# KiCad board scanhead_pcb.kicad_pcb (continued)
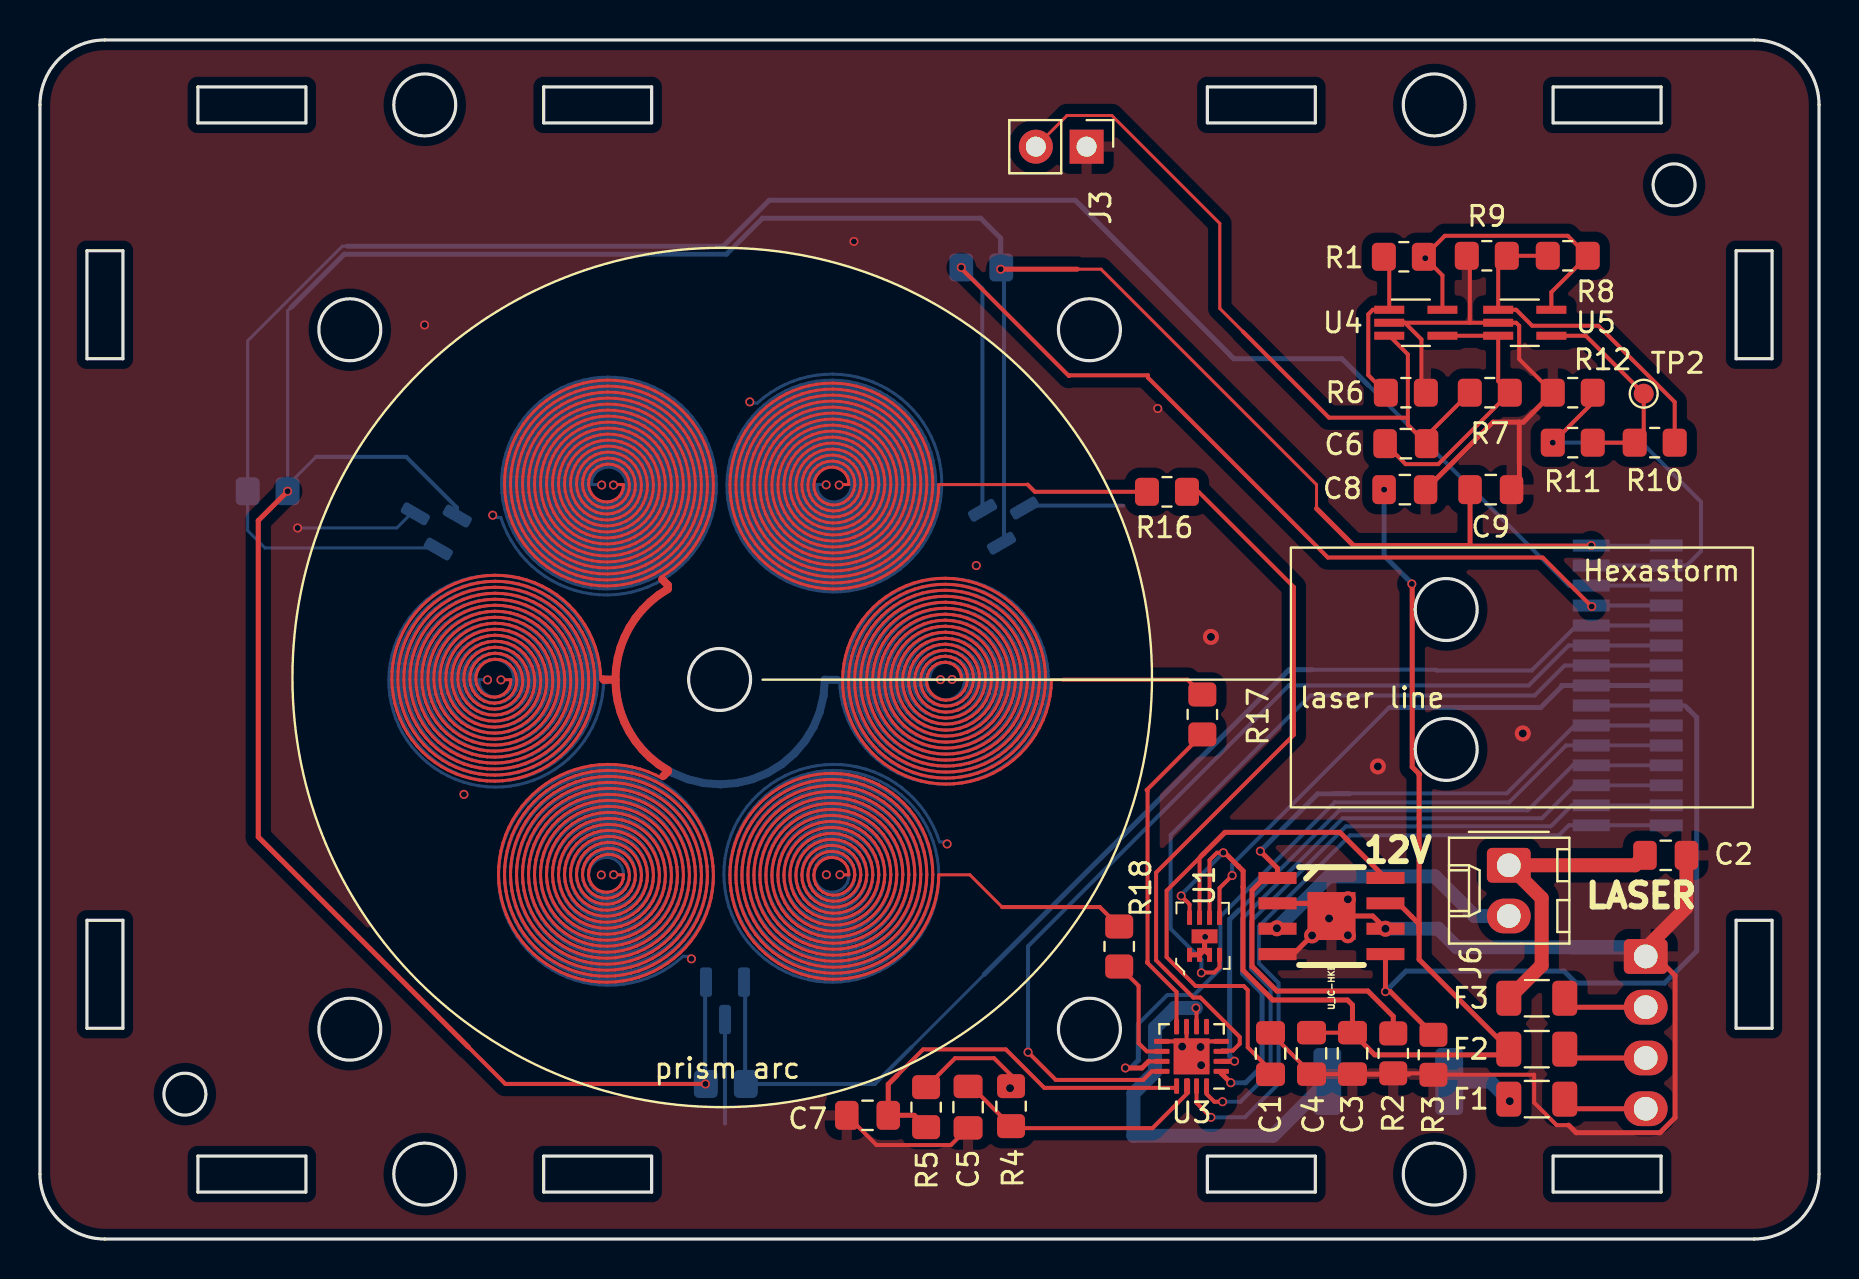
[diagram p0: board, top side]
## Routing (per net, layer and track width the routed paths; a pad name or vN(x,y) marks a point on that pad's centre or on a via; arc(x,y) is an arc through that point) (continued)
33.67,17.81 33.62,17.4 33.53,16.99 33.42,16.59 33.27,16.2 33.09,15.83 32.89,15.47 32.65,15.13 32.39,14.8 32.11,14.5 31.8,14.23 31.48,13.97 31.13,13.75 30.77,13.55 30.4,13.38 30.01,13.24 29.61,13.13 29.21,13.06 28.8,13.01 28.39,13 27.98,13.02 27.57,13.07 27.17,13.16 26.78,13.27 26.4,13.41 26.03,13.59 25.67,13.79 25.34,14.02 25.02,14.28 24.72,14.56 24.45,14.86 24.2,15.18 23.98,15.52 23.78,15.88 23.61,16.25 23.48,16.63 23.37,17.02 23.3,17.42 23.25,17.82 23.24,18.22 23.26,18.63 23.31,19.03 23.39,19.42 23.51,19.81 23.65,20.19 23.82,20.55 24.02,20.9 24.25,21.23 24.5,21.55 24.77,21.84 25.07,22.11 25.39,22.35 25.72,22.57 26.08,22.77 26.44,22.93 26.82,23.07 27.2,23.17 27.59,23.24 27.99,23.29 28.39,23.3 28.79,23.28 29.18,23.23 29.57,23.15 29.95,23.04 30.32,22.9 30.68,22.73 31.03,22.53 31.35,22.31 31.66,22.06 31.95,21.79 32.22,21.49 32.46,21.18 32.68,20.85 32.86,20.51 33.03,20.15 33.16,19.77 33.26,19.39 33.34,19.01 33.38,18.62 33.39,18.22 33.37,17.81 33.31,17.4 33.23,17 33.1,16.61 32.95,16.22 32.77,15.86 32.55,15.51 32.31,15.17 32.04,14.86 31.75,14.58 31.43,14.31 31.1,14.08 30.74,13.87 30.38,13.7 29.99,13.55 29.6,13.44 29.2,13.36 28.8,13.31 28.39,13.3 27.98,13.32 27.58,13.37 27.18,13.46 26.8,13.58 26.42,13.73 26.06,13.91 25.71,14.12 25.38,14.36 25.08,14.63 24.8,14.92 24.54,15.23 24.31,15.56 24.1,15.91 23.93,16.27 23.79,16.64 23.68,17.03 23.6,17.43 23.55,17.82 23.54,18.22 23.56,18.63 23.61,19.02 23.7,19.41 23.82,19.79 23.97,20.17 24.14,20.52 24.35,20.86 24.59,21.18 24.85,21.49 25.13,21.76 25.44,22.02 25.76,22.25 26.11,22.45 26.46,22.62 26.83,22.76 27.21,22.87 27.6,22.94 27.99,22.99 28.39,23 28.78,22.98 29.17,22.93 29.56,22.84 29.93,22.73 30.3,22.58 30.65,22.4 30.99,22.2 31.3,21.97 31.6,21.71 31.87,21.43 32.12,21.13 32.35,20.81 32.54,20.47 32.71,20.12 32.85,19.76 32.96,19.38 33.03,19 33.08,18.61 33.09,18.22 33.07,17.82 33.01,17.41 32.92,17.01 32.79,16.62 32.63,16.25 32.44,15.89 32.22,15.55 31.96,15.23 31.69,14.93 31.38,14.66 31.06,14.41 30.71,14.2 30.35,14.01 29.98,13.86 29.59,13.75 29.19,13.66 28.79,13.61 28.39,13.6 27.99,13.62 27.59,13.68 27.2,13.77 26.81,13.89 26.44,14.05 26.09,14.24 25.75,14.46 25.44,14.71 25.15,14.98 24.88,15.28 24.64,15.6 24.43,15.94 24.25,16.29 24.1,16.66 23.98,17.04 23.9,17.43 23.85,17.83 23.84,18.22 23.86,18.62 23.92,19.01 24.01,19.4 24.13,19.78 24.28,20.14 24.47,20.49 24.69,20.82 24.93,21.13 25.2,21.42 25.49,21.68 25.81,21.91 26.14,22.12 26.49,22.3 26.85,22.45 27.23,22.56 27.61,22.64 28,22.69 28.39,22.7 28.78,22.68 29.17,22.62 29.54,22.54 29.91,22.41 30.27,22.26 30.61,22.08 30.94,21.87 31.24,21.63 31.53,21.36 31.79,21.07 32.02,20.77 32.22,20.44 32.4,20.09 32.54,19.74 32.65,19.37 32.73,18.99 32.78,18.61 32.79,18.22 32.77,17.82 32.71,17.42 32.61,17.02 32.48,16.64 32.31,16.27 32.11,15.92 31.88,15.59 31.62,15.28 31.33,15 31.01,14.75 30.68,14.53 30.33,14.33 29.96,14.18 29.58,14.05 29.19,13.96 28.79,13.91 28.39,13.9 27.99,13.92 27.6,13.98 27.21,14.08 26.83,14.21 26.47,14.37 26.13,14.57 25.8,14.8 25.5,15.05 25.22,15.34 24.97,15.65 24.75,15.97 24.57,16.32 24.41,16.68 24.29,17.06 24.2,17.44 24.15,17.83 24.14,18.22 24.16,18.62 24.22,19 24.31,19.38 24.44,19.75 24.6,20.11 24.8,20.45 25.02,20.77 25.27,21.06 25.55,21.34 25.85,21.58 26.18,21.8 26.52,21.98 26.87,22.13 27.24,22.25 27.62,22.34 28,22.39 28.39,22.4 28.77,22.38 29.16,22.32 29.53,22.23 29.89,22.1 30.24,21.94 30.57,21.75 30.89,21.53 31.18,21.28 31.45,21.01 31.69,20.71 31.9,20.4 32.08,20.06 32.23,19.71 32.35,19.35 32.43,18.98 32.48,18.6 32.49,18.22 32.47,17.82 32.4,17.43 32.3,17.04 32.16,16.66 31.98,16.3 31.78,15.96 31.53,15.64 31.26,15.35 30.96,15.09 30.64,14.85 30.3,14.65 29.94,14.49 29.56,14.36 29.18,14.27 28.78,14.21 28.39,14.2 28,14.22 27.61,14.29 27.23,14.39 26.86,14.52 26.5,14.7 26.17,14.9 25.86,15.14 25.57,15.41 25.31,15.7 25.08,16.01 24.89,16.35 24.72,16.71 24.6,17.07 24.51,17.45 24.45,17.84 24.44,18.22 24.46,18.61 24.52,18.99 24.62,19.37 24.76,19.73 24.93,20.08 25.13,20.4 25.36,20.71 25.62,20.99 25.91,21.25 26.22,21.47 26.55,21.66 26.9,21.82 27.26,21.95 27.63,22.03 28.01,22.09 28.39,22.1 28.77,22.08 29.14,22.02 29.51,21.92 29.87,21.79 30.21,21.62 30.53,21.42 30.83,21.19 31.1,20.94 31.35,20.66 31.57,20.35 31.76,20.03 31.92,19.69 32.04,19.33 32.13,18.97 32.18,18.6 32.19,18.22 32.16,17.83 32.1,17.44 31.99,17.06 31.84,16.69 31.66,16.34 31.44,16.01 31.19,15.71 30.91,15.43 30.6,15.19 30.26,14.98 29.91,14.8 29.55,14.67 29.17,14.57 28.78,14.52 28.39,14.5 28,14.53 27.62,14.59 27.24,14.7 26.88,14.84 26.54,15.02 26.22,15.24 25.92,15.48 25.65,15.76 25.41,16.06 25.21,16.39 25.04,16.73 24.9,17.09 24.81,17.46 24.75,17.84 24.74,18.22 24.76,18.61 24.83,18.98 24.93,19.35 25.07,19.7 25.25,20.04 25.46,20.35 25.7,20.64 25.97,20.91 26.27,21.14 26.59,21.34 26.93,21.51 27.28,21.64 27.64,21.73 28.02,21.79 28.39,21.8 28.76,21.78 29.13,21.71 29.49,21.61 29.84,21.47 30.16,21.3 30.47,21.09 30.76,20.86 31.02,20.59 31.25,20.3 31.44,19.99 31.61,19.66 31.73,19.31 31.82,18.95 31.88,18.59 31.89,18.22 31.86,17.83 31.79,17.45 31.68,17.07 31.52,16.72 31.33,16.38 31.1,16.06 30.84,15.78 30.54,15.52 30.23,15.3 29.88,15.12 29.53,14.98 29.15,14.88 28.77,14.82 28.39,14.8 28.01,14.83 27.63,14.9 27.26,15.01 26.91,15.16 26.58,15.35 26.27,15.57 25.99,15.83 25.75,16.12 25.53,16.43 25.35,16.76 25.21,17.11 25.11,17.48 25.06,17.85 25.04,18.22 25.07,18.6 25.13,18.97 25.24,19.33 25.39,19.67 25.58,19.99 25.8,20.29 26.05,20.57 26.33,20.81 26.63,21.02 26.96,21.19 27.3,21.33 27.66,21.43 28.02,21.48 28.39,21.5 28.76,21.47 29.12,21.41 29.47,21.3 29.8,21.16 30.12,20.98 30.41,20.76 30.68,20.51 30.92,20.24 31.12,19.94 31.29,19.62 31.43,19.29 31.52,18.94 31.57,18.58 31.59,18.22 31.56,17.84 31.49,17.46 31.37,17.1 31.2,16.75 31,16.42 30.76,16.13 30.48,15.86 30.18,15.63 29.85,15.44 29.5,15.29 29.14,15.18 28.77,15.12 28.39,15.1 28.01,15.13 27.64,15.2 27.29,15.32 26.95,15.48 26.63,15.68 26.34,15.91 26.08,16.18 25.86,16.48 25.67,16.8 25.52,17.14 25.42,17.49 25.36,17.86 25.34,18.22 25.37,18.59 25.44,18.95 25.55,19.3 25.71,19.63 25.9,19.94 26.13,20.22 26.39,20.48 26.68,20.7 27,20.88 27.33,21.02 27.67,21.12 28.03,21.18 28.39,21.2 28.75,21.17 29.1,21.1 29.44,20.99 29.76,20.84 30.06,20.65 30.34,20.43 30.59,20.17 30.8,19.89 30.98,19.58 31.12,19.26 31.22,18.92 31.27,18.58 31.29,18.22 31.26,17.85 31.18,17.48 31.05,17.12 30.88,16.79 30.67,16.48 30.41,16.2 30.13,15.96 29.81,15.76 29.48,15.6 29.12,15.48 28.76,15.42 28.39,15.4 28.02,15.43 27.66,15.51 27.32,15.63 26.99,15.8 26.69,16.01 26.42,16.25 26.18,16.53 25.99,16.84 25.83,17.17 25.72,17.51 25.66,17.87 25.64,18.22 25.67,18.58 25.75,18.93 25.87,19.27 26.03,19.59 26.23,19.88 26.47,20.14 26.74,20.37 27.04,20.56 27.36,20.71 27.69,20.82 28.04,20.88 28.39,20.9 28.74,20.87 29.08,20.8 29.41,20.68 29.71,20.52 30,20.32 30.25,20.09 30.48,19.83 30.66,19.54 30.81,19.23 30.91,18.9 30.97,18.57 30.99,18.22 30.96,17.86 30.87,17.5 30.74,17.15 30.55,16.83 30.33,16.54 30.07,16.29 29.77,16.08 29.45,15.91 29.1,15.79 28.75,15.72 28.39,15.7 28.03,15.73 27.68,15.82 27.35,15.95 27.04,16.12 26.76,16.34 26.51,16.6 26.31,16.89 26.14,17.2 26.03,17.53 25.96,17.88 25.94,18.22 25.97,18.57 26.05,18.91 26.18,19.23 26.35,19.53 26.56,19.81 26.81,20.05 27.09,20.25 27.39,20.4 27.72,20.52 28.05,20.58 28.39,20.6 28.73,20.57 29.05,20.49 29.37,20.37 29.66,20.2 29.92,19.99 30.15,19.75 30.35,19.48 30.5,19.19 30.61,18.88 30.67,18.55 30.69,18.22 30.65,17.87 30.56,17.52 30.42,17.19 30.23,16.89 29.99,16.63 29.71,16.4 29.41,16.22 29.08,16.09 28.74,16.02 28.39,16 28.04,16.03 27.71,16.12 27.39,16.26 27.1,16.45 26.84,16.68 26.63,16.94 26.45,17.24 26.33,17.56 26.26,17.89 26.24,18.22 26.27,18.56 26.36,18.88 26.49,19.19 26.67,19.47 26.9,19.72 27.15,19.93 27.44,20.09 27.74,20.21 28.06,20.28 28.39,20.3 28.71,20.27 29.03,20.18 29.32,20.05 29.59,19.88 29.83,19.67 30.03,19.42 30.19,19.14 30.31,18.85 30.37,18.54 30.39,18.22 30.35,17.88 30.25,17.55 30.1,17.24 29.9,16.96 29.65,16.72 29.36,16.54 29.05,16.4 28.73,16.32 28.39,16.3 28.06,16.34 27.74,16.43 27.44,16.58 27.17,16.78 26.95,17.01 26.77,17.29 26.64,17.59 26.56,17.9 26.54,18.22 26.58,18.54 26.67,18.85 26.81,19.14 27,19.39 27.23,19.61 27.49,19.78 27.78,19.91 28.08,19.98 28.39,20 28.7,19.96 28.99,19.88 29.26,19.74 29.51,19.56 29.72,19.34 29.88,19.09 30,18.81 30.07,18.52 30.09,18.22 30.05,17.9 29.94,17.58 29.78,17.3 29.57,17.05 29.31,16.85 29.02,16.71 28.71,16.62 28.39,16.6 28.07,16.64 27.77,16.74 27.5,16.9 27.27,17.1 27.08,17.35 26.94,17.62 26.86,17.92 26.84,18.22 26.88,18.53 26.97,18.81 27.12,19.07 27.32,19.29 27.55,19.47 27.82,19.6 28.1,19.68 28.39,19.7 28.68,19.66 28.95,19.57 29.19,19.43 29.41,19.24 29.58,19.02 29.7,18.77 29.77,18.5 29.79,18.22 29.74,17.92 29.63,17.63 29.46,17.37 29.24,17.16 28.97,17.01 28.69,16.92 28.39,16.9 28.1,16.94 27.82,17.05 27.58,17.21 27.39,17.43 27.24,17.67 27.16,17.94 27.14,18.22 27.18,18.5 27.28,18.76 27.44,18.98 27.64,19.17 27.87,19.3 28.13,19.38 28.39,19.4 28.65,19.36 28.89,19.26 29.1,19.12 29.27,18.93 29.4,18.71 29.47,18.47 29.49,18.22 29.44,17.94 29.32,17.69 29.14,17.47 28.91,17.32 28.66,17.22 28.39,17.2 28.13,17.25 27.89,17.36 27.69,17.53 27.55,17.74 27.46,17.98 27.44,18.22 27.48,18.47 27.59,18.69 27.74,18.87 27.94,19 28.16,19.08 28.39,19.1 28.61,19.06 28.81,18.96 28.98,18.82 29.1,18.64 29.17,18.44 29.19,18.22 28.74,18.22 ; 45.36,19.75 45.24,19.87 45,19.87 44.86,20.26 44.69,20.65 44.49,21.01 44.27,21.36 44.02,21.7 43.74,22.01 43.45,22.3 43.13,22.57 42.79,22.81 42.44,23.03 42.07,23.22 41.69,23.38 41.3,23.52 40.9,23.62 40.49,23.7 40.08,23.74 39.66,23.75 39.25,23.73 38.84,23.68 38.44,23.6 38.04,23.49 37.65,23.35 37.28,23.18 36.91,22.99 36.57,22.77 36.24,22.52 35.93,22.25 35.64,21.96 35.38,21.64 35.14,21.31 34.92,20.96 34.73,20.6 34.57,20.22 34.44,19.84 34.34,19.44 34.27,19.04 34.23,18.63 34.21,18.22 34.23,17.82 34.28,17.41 34.36,17.01 34.47,16.62 34.61,16.24 34.77,15.87 34.97,15.51 35.19,15.17 35.43,14.85 35.7,14.54 35.98,14.26 36.29,14 36.62,13.76 36.96,13.55 37.32,13.36 37.69,13.2 38.08,13.08 38.47,12.97 38.86,12.9 39.26,12.86 39.66,12.85 40.07,12.87 40.46,12.92 40.86,13 41.24,13.1 41.62,13.24 41.99,13.4 42.34,13.59 42.68,13.81 43,14.05 43.3,14.31 43.58,14.6 43.83,14.9 44.07,15.22 44.28,15.56 44.46,15.92 44.61,16.28 44.74,16.66 44.84,17.04 44.91,17.43 44.95,17.83 44.96,18.22 44.94,18.64 44.89,19.05 44.81,19.46 44.69,19.86 44.54,20.25 44.37,20.62 44.16,20.98 43.93,21.32 43.67,21.65 43.39,21.95 43.08,22.22 42.75,22.48 42.41,22.7 42.05,22.9 41.67,23.07 41.28,23.21 40.89,23.32 40.48,23.39 40.07,23.44 39.66,23.45 39.25,23.43 38.85,23.38 38.45,23.29 38.05,23.18 37.67,23.03 37.3,22.86 36.95,22.66 36.61,22.43 36.29,22.17 36,21.89 35.72,21.59 35.47,21.27 35.25,20.93 35.06,20.57 34.89,20.2 34.75,19.82 34.65,19.43 34.57,19.03 34.53,18.63 34.51,18.22 34.53,17.82 34.59,17.42 34.67,17.03 34.78,16.64 34.92,16.26 35.1,15.9 35.3,15.55 35.52,15.22 35.77,14.9 36.05,14.61 36.35,14.34 36.66,14.09 37,13.88 37.35,13.68 37.72,13.52 38.09,13.38 38.48,13.28 38.87,13.2 39.27,13.16 39.66,13.15 40.06,13.17 40.46,13.22 40.85,13.3 41.23,13.41 41.6,13.55 41.96,13.72 42.3,13.92 42.63,14.14 42.94,14.39 43.23,14.66 43.49,14.96 43.73,15.27 43.95,15.6 44.14,15.94 44.3,16.3 44.43,16.68 44.54,17.06 44.61,17.44 44.65,17.83 44.66,18.22 44.64,18.64 44.59,19.05 44.5,19.45 44.38,19.84 44.23,20.23 44.04,20.59 43.83,20.94 43.59,21.28 43.32,21.59 43.02,21.87 42.71,22.14 42.37,22.37 42.02,22.58 41.65,22.75 41.27,22.9 40.88,23.01 40.48,23.09 40.07,23.14 39.66,23.15 39.26,23.13 38.86,23.07 38.46,22.99 38.07,22.87 37.69,22.72 37.33,22.54 36.99,22.32 36.66,22.09 36.35,21.82 36.07,21.53 35.81,21.22 35.58,20.89 35.38,20.54 35.2,20.18 35.06,19.8 34.95,19.42 34.87,19.02 34.83,18.63 34.81,18.22 34.83,17.82 34.89,17.43 34.97,17.04 35.09,16.66 35.24,16.28 35.42,15.93 35.63,15.59 35.86,15.27 36.12,14.96 36.41,14.69 36.71,14.43 37.04,14.2 37.38,14 37.74,13.83 38.11,13.69 38.49,13.58 38.88,13.51 39.27,13.46 39.66,13.45 40.06,13.47 40.45,13.52 40.83,13.61 41.21,13.72 41.57,13.87 41.93,14.05 42.26,14.25 42.58,14.48 42.87,14.74 43.15,15.02 43.4,15.32 43.62,15.64 43.82,15.98 43.99,16.33 44.12,16.69 44.23,17.07 44.31,17.45 44.35,17.84 44.36,18.22 44.34,18.63 44.28,19.04 44.19,19.44 44.07,19.83 43.91,20.2 43.71,20.56 43.49,20.9 43.24,21.22 42.96,21.52 42.66,21.79 42.33,22.04 41.99,22.25 41.63,22.44 41.25,22.59 40.86,22.7 40.47,22.79 40.07,22.84 39.66,22.85 39.26,22.83 38.86,22.77 38.47,22.68 38.09,22.56 37.72,22.4 37.36,22.21 37.03,21.99 36.71,21.74 36.42,21.47 36.15,21.17 35.91,20.85 35.7,20.51 35.52,20.16 35.37,19.79 35.26,19.41 35.18,19.02 35.13,18.62 35.11,18.22 35.14,17.83 35.19,17.44 35.28,17.05 35.4,16.67 35.56,16.31 35.75,15.96 35.96,15.63 36.2,15.32 36.47,15.03 36.77,14.77 37.08,14.54 37.41,14.33 37.76,14.15 38.13,14 38.5,13.89 38.89,13.81 39.27,13.76 39.66,13.75 40.05,13.77 40.44,13.83 40.82,13.91 41.19,14.04 41.55,14.19 41.89,14.37 42.21,14.58 42.52,14.82 42.8,15.09 43.06,15.38 43.29,15.68 43.5,16.01 43.67,16.36 43.81,16.71 43.93,17.08 44.01,17.46 44.05,17.84 44.06,18.22 44.04,18.63 43.98,19.03 43.88,19.43 43.75,19.81 43.58,20.18 43.38,20.53 43.15,20.86 42.89,21.17 42.6,21.45 42.29,21.7 41.96,21.92 41.6,22.12 41.23,22.27 40.85,22.4 40.46,22.48 40.06,22.54 39.66,22.55 39.27,22.53 38.87,22.47 38.48,22.37 38.11,22.24 37.75,22.08 37.4,21.88 37.08,21.65 36.77,21.4 36.5,21.11 36.25,20.8 36.03,20.48 35.84,20.13 35.69,19.77 35.56,19.39 35.48,19.01 35.43,18.62 35.41,18.22 35.44,17.83 35.5,17.45 35.59,17.07 35.72,16.7 35.88,16.34 36.07,16 36.3,15.68 36.55,15.39 36.83,15.11 37.13,14.87 37.45,14.65 37.79,14.47 38.15,14.32 38.52,14.2 38.9,14.11 39.28,14.06 39.66,14.05 40.05,14.07 40.43,14.13 40.8,14.22 41.17,14.35 41.52,14.51 41.85,14.7 42.16,14.92 42.45,15.17 42.72,15.44 42.96,15.74 43.17,16.05 43.35,16.39 43.5,16.74 43.62,17.1 43.7,17.47 43.75,17.85 43.76,18.22 43.74,18.63 43.68,19.02 43.57,19.41 43.44,19.79 43.26,20.15 43.05,20.49 42.81,20.81 42.54,21.1 42.24,21.36 41.92,21.59 41.57,21.8 41.21,21.96 40.84,22.09 40.45,22.18 40.06,22.24 39.66,22.25 39.27,22.23 38.88,22.16 38.5,22.06 38.13,21.93 37.78,21.75 37.44,21.55 37.13,21.31 36.84,21.04 36.59,20.75 36.36,20.44 36.16,20.1 36,19.74 35.87,19.38 35.78,19 35.73,18.61 35.71,18.22 35.74,17.84 35.8,17.46 35.9,17.08 36.03,16.72 36.2,16.37 36.4,16.05 36.64,15.74 36.9,15.46 37.19,15.2 37.5,14.98 37.83,14.79 38.17,14.63 38.54,14.5 38.91,14.42 39.28,14.36 39.66,14.35 40.04,14.37 40.42,14.43 40.79,14.53 41.14,14.66 41.48,14.83 41.8,15.03 42.1,15.25 42.38,15.51 42.63,15.79 42.85,16.1 43.04,16.42 43.19,16.76 43.31,17.12 43.4,17.48 43.45,17.85 43.46,18.22 43.44,18.62 43.37,19.01 43.26,19.39 43.12,19.76 42.93,20.11 42.71,20.44 42.46,20.74 42.18,21.02 41.87,21.26 41.54,21.47 41.19,21.65 40.82,21.78 40.44,21.88 40.05,21.93 39.66,21.95 39.28,21.92 38.89,21.86 38.52,21.75 38.16,21.61 37.81,21.43 37.49,21.21 37.2,20.97 36.93,20.69 36.69,20.39 36.48,20.06 36.31,19.72 36.18,19.36 36.08,18.99 36.03,18.61 36.01,18.22 36.04,17.84 36.1,17.47 36.21,17.1 36.35,16.75 36.53,16.41 36.74,16.1 36.98,15.81 37.25,15.54 37.55,15.31 37.86,15.11 38.2,14.94 38.56,14.81 38.92,14.72 39.29,14.66 39.66,14.65 40.04,14.67 40.41,14.74 40.76,14.84 41.11,14.98 41.44,15.15 41.75,15.36 42.03,15.59 42.29,15.86 42.52,16.15 42.72,16.46 42.88,16.79 43.01,17.14 43.1,17.5 43.15,17.86 43.16,18.22 43.14,18.62 43.07,19 42.95,19.38 42.8,19.73 42.61,20.07 42.38,20.39 42.11,20.67 41.82,20.93 41.5,21.15 41.16,21.33 40.8,21.47 40.43,21.57 40.05,21.63 39.66,21.65 39.28,21.62 38.9,21.55 38.54,21.44 38.19,21.29 37.86,21.1 37.55,20.88 37.27,20.62 37.02,20.33 36.81,20.02 36.63,19.69 36.49,19.34 36.39,18.97 36.33,18.6 36.31,18.22 36.34,17.85 36.41,17.48 36.52,17.12 36.67,16.78 36.85,16.46 37.07,16.16 37.32,15.88 37.6,15.64 37.91,15.43 38.23,15.25 38.58,15.12 38.93,15.02 39.3,14.97 39.66,14.95 40.03,14.98 40.39,15.04 40.74,15.15 41.08,15.29 41.39,15.47 41.69,15.69 41.95,15.94 42.19,16.21 42.4,16.51 42.57,16.83 42.7,17.16 42.79,17.51 42.85,17.87 42.86,18.22 42.84,18.61 42.76,18.99 42.64,19.35 42.48,19.7 42.27,20.03 42.03,20.32 41.76,20.59 41.46,20.82 41.13,21.01 40.78,21.16 40.42,21.27 40.04,21.33 39.66,21.35 39.29,21.32 38.92,21.25 38.56,21.13 38.22,20.97 37.91,20.77 37.62,20.54 37.36,20.27 37.13,19.97 36.94,19.65 36.8,19.31 36.69,18.96 36.63,18.59 36.61,18.22 36.64,17.86 36.71,17.5 36.83,17.15 36.98,16.82 37.18,16.51 37.41,16.23 37.67,15.97 37.96,15.75 38.27,15.57 38.6,15.43 38.95,15.33 39.31,15.27 39.66,15.25 40.02,15.28 40.37,15.35 40.71,15.46 41.04,15.61 41.34,15.8 41.61,16.02 41.86,16.28 42.07,16.56 42.25,16.87 42.39,17.19 42.49,17.53 42.55,17.87 42.56,18.22 42.53,18.6 42.45,18.97 42.33,19.33 42.15,19.66 41.94,19.97 41.69,20.25 41.4,20.49 41.09,20.69 40.75,20.85 40.4,20.97 40.03,21.03 39.66,21.05 39.3,21.02 38.94,20.94 38.59,20.82 38.26,20.65 37.96,20.44 37.69,20.2 37.46,19.92 37.26,19.61 37.11,19.28 37,18.94 36.93,18.58 36.91,18.22 36.94,17.87 37.02,17.52 37.14,17.18 37.3,16.86 37.51,16.57 37.75,16.31 38.02,16.08 38.31,15.89 38.63,15.74 38.97,15.63 39.31,15.57 39.66,15.55 40.01,15.58 40.35,15.65 40.68,15.77 40.99,15.93 41.27,16.13 41.53,16.36 41.75,16.62 41.94,16.91 42.08,17.22 42.19,17.55 42.25,17.88 42.26,18.22 42.23,18.59 42.15,18.95 42.01,19.3 41.83,19.62 41.6,19.91 41.34,20.16 41.04,20.37 40.72,20.54 40.38,20.66 40.02,20.73 39.66,20.75 39.31,20.72 38.96,20.63 38.62,20.5 38.31,20.33 38.03,20.11 37.79,19.85 37.58,19.56 37.42,19.25 37.3,18.92 37.23,18.57 37.21,18.22 37.25,17.88 37.33,17.54 37.45,17.22 37.63,16.92 37.84,16.64 38.09,16.4 38.37,16.2 38.67,16.05 38.99,15.93 39.33,15.87 39.66,15.85 40,15.88 40.33,15.96 40.64,16.08 40.93,16.25 41.2,16.46 41.43,16.7 41.62,16.97 41.78,17.26 41.88,17.57 41.95,17.9 41.96,18.22 41.93,18.58 41.84,18.93 41.69,19.26 41.5,19.56 41.26,19.82 40.99,20.05 40.68,20.23 40.36,20.36 40.01,20.43 39.66,20.45 39.32,20.42 38.98,20.33 38.66,20.19 38.37,20 38.12,19.77 37.9,19.51 37.73,19.21 37.61,18.89 37.53,18.56 37.51,18.22 37.55,17.89 37.63,17.57 37.77,17.26 37.95,16.98 38.17,16.73 38.43,16.52 38.71,16.36 39.02,16.24 39.34,16.17 39.66,16.15 39.99,16.18 40.3,16.27 40.6,16.4 40.87,16.57 41.11,16.78 41.31,17.03 41.47,17.31 41.58,17.6 41.65,17.91 41.66,18.22 41.63,18.57 41.53,18.9 41.37,19.21 41.17,19.49 40.92,19.73 40.64,19.91 40.33,20.05 40,20.13 39.66,20.15 39.33,20.11 39.01,20.02 38.71,19.87 38.45,19.67 38.22,19.44 38.04,19.16 37.91,18.86 37.83,18.55 37.81,18.22 37.85,17.91 37.94,17.6 38.08,17.31 38.27,17.06 38.5,16.84 38.76,16.67 39.05,16.54 39.35,16.47 39.66,16.45 39.97,16.49 40.27,16.57 40.54,16.71 40.78,16.89 40.99,17.11 41.16,17.36 41.28,17.64 41.35,17.93 41.36,18.22 41.32,18.55 41.22,18.87 41.05,19.15 40.84,19.4 40.58,19.6 40.29,19.74 39.98,19.83 39.66,19.85 39.35,19.81 39.05,19.71 38.78,19.55 38.54,19.35 38.35,19.1 38.22,18.83 38.14,18.53 38.11,18.22 38.15,17.92 38.25,17.64 38.4,17.38 38.59,17.16 38.83,16.98 39.09,16.84 39.37,16.77 39.66,16.75 39.95,16.79 40.22,16.88 40.47,17.02 40.68,17.21 40.85,17.43 40.98,17.68 41.05,17.95 41.06,18.22 41.02,18.53 40.91,18.82 40.73,19.08 40.51,19.29 40.25,19.44 39.96,19.53 39.66,19.55 39.37,19.51 39.1,19.4 38.86,19.24 38.66,19.02 38.52,18.78 38.44,18.51 38.41,18.22 38.46,17.95 38.56,17.69 38.71,17.47 38.91,17.28 39.15,17.15 39.4,17.07 39.66,17.05 39.92,17.09 40.16,17.19 40.38,17.33 40.55,17.52 40.67,17.74 40.75,17.98 40.76,18.22 40.71,18.51 40.6,18.76 40.42,18.98 40.19,19.13 39.93,19.23 39.66,19.25 39.4,19.2 39.16,19.09 38.97,18.92 38.82,18.71 38.73,18.47 38.71,18.22 38.76,17.98 38.86,17.76 39.02,17.58 39.21,17.45 39.43,17.37 39.66,17.35 39.89,17.39 40.09,17.49 40.26,17.63 40.38,17.81 40.45,18.01 40.46,18.22 40.01,18.22
  Bottom w0.4: 39.88,27.98 39.28,27.98 39.26,27.99 39.2,27.17 39.01,26.37 38.69,25.61 38.26,24.91 37.73,24.29 37.11,23.75 36.4,23.32 35.65,23.01 34.85,22.82 34.03,22.75 33.21,22.82 32.41,23.01 31.65,23.32 30.95,23.75 30.32,24.29 29.79,24.91 29.36,25.61 29.05,26.37 28.85,27.17 28.79,27.99 28.37,27.99 28.32,27.95
  vias: v2(21.21,22.25) v2(22.39,27.98) v2(22.65,36.22) v2(23.06,27.98) v2(28.1,37.73) v2(28.08,18.22) v2(28.69,37.73) v2(28.7,18.23) v2(32.59,14.02) v2(35.51,41.89) v2(39.33,37.74) v2(39.34,18.23) v2(39.98,37.73) v2(40.02,18.23) v2(45.05,27.99) v2(45.38,19.77) v2(45.63,28) v2(46.84,33.7)
